# KiCad board nyx.kicad_pcb (continued)
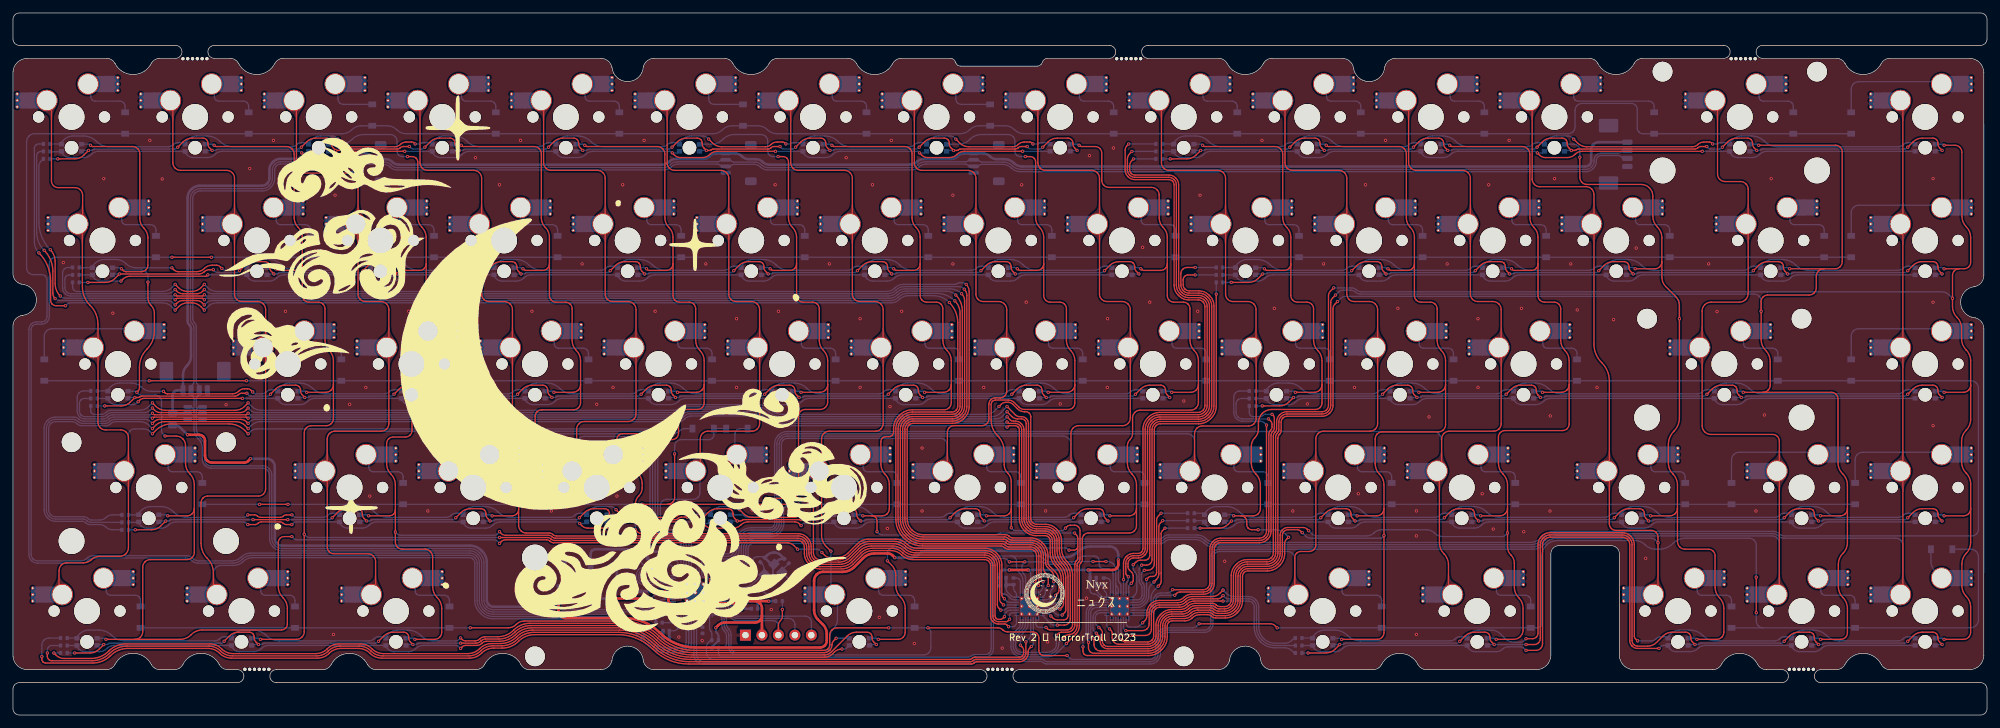
[diagram p0: board, top side]
## Copper pours and planes (outline as drawn; the poured copper is in the pictures) (continued)
VBUS on Bottom: 25.79,46.77 25.66,46.79 25.53,46.83 25.4,46.88 25.28,46.95 25.15,47.04 24.6,46.57 25.15,46.1 25.28,46.19 25.4,46.26 25.53,46.32 25.66,46.35 25.79,46.37
/~{USB_BOOT} on Bottom: 88.85,24.57 88.8,24.45 88.75,24.35 88.7,24.26 88.65,24.18 88.6,24.12 89.05,23.27 89.5,24.12 89.45,24.18 89.4,24.26 89.35,24.35 89.3,24.45 89.25,24.57
Col0 on Top: 7,21.8 6.94,21.08 6.78,20.58 6.55,20.16 6.29,19.71 6.04,19.09 7.61,18.58 8.94,19.55 8.47,20.04 8,20.38 7.6,20.69 7.31,21.12 7.2,21.8
Col0 on Top: 13,59.78 12.87,59.11 12.54,58.72 12.08,58.45 11.57,58.15 11.06,57.68 12.37,56.68 13.94,57.19 13.72,57.77 13.52,58.21 13.35,58.62 13.24,59.11 13.2,59.78
Col0 on Top: 17.7,40.77 17.58,40.09 17.26,39.69 16.81,39.4 16.3,39.09 15.81,38.61 17.13,37.63 18.7,38.14 18.47,38.73 18.25,39.18 18.07,39.59 17.95,40.08 17.9,40.77
Col0 on Top: 10.63,78.83 10.51,78.16 10.18,77.76 9.71,77.5 9.19,77.2 8.69,76.73 9.99,75.73 11.56,76.24 11.34,76.82 11.14,77.26 10.98,77.67 10.87,78.15 10.83,78.83
Col0 on Top: 10.8,72.61 10.84,73.29 10.96,73.78 11.13,74.19 11.33,74.63 11.56,75.22 9.99,75.73 8.68,74.73 9.18,74.26 9.69,73.96 10.15,73.68 10.47,73.28 10.6,72.61
Col0 on Top: 13.2,53.57 13.24,54.25 13.35,54.73 13.52,55.14 13.72,55.58 13.94,56.17 12.37,56.68 11.06,55.68 11.57,55.2 12.08,54.91 12.54,54.64 12.87,54.24 13,53.57
Col0 on Top: 17.9,34.49 17.95,35.18 18.07,35.67 18.25,36.08 18.47,36.52 18.7,37.12 17.13,37.63 15.81,36.65 16.3,36.16 16.81,35.85 17.26,35.57 17.58,35.17 17.7,34.49
Col0 on Top: 6.03,91.66 6.08,92.34 6.19,92.83 6.36,93.24 6.57,93.68 6.79,94.27 5.22,94.78 3.91,93.78 4.41,93.31 4.93,93.01 5.38,92.73 5.71,92.33 5.83,91.66
Col0 on Bottom: 17.7,40.77 17.58,40.09 17.26,39.69 16.81,39.4 16.3,39.09 15.81,38.61 17.13,37.63 18.7,38.14 18.47,38.73 18.25,39.18 18.07,39.59 17.95,40.08 17.9,40.77
Col1 on Top: 38.85,59.92 38.75,59.24 38.49,58.81 38.12,58.48 37.68,58.14 37.23,57.65 38.56,56.68 40.13,57.19 39.86,57.81 39.57,58.27 39.31,58.68 39.12,59.19 39.05,59.92
Col1 on Top: 39.05,53.44 39.12,54.17 39.31,54.67 39.57,55.09 39.86,55.54 40.13,56.17 38.56,56.68 37.23,55.71 37.68,55.21 38.12,54.87 38.49,54.55 38.75,54.11 38.85,53.44
Col1 on Top: 34.05,78.97 33.96,78.3 33.7,77.86 33.34,77.54 32.91,77.19 32.46,76.7 33.8,75.73 35.36,76.25 35.09,76.87 34.52,77.74 34.33,78.24 34.25,78.97
Col1 on Top: 30.8,21.79 30.74,21.08 30.58,20.58 30.36,20.16 30.1,19.7 29.85,19.09 31.42,18.58 32.75,19.55 32.28,20.04 31.81,20.38 31.4,20.69 31.11,21.11 31,21.79
Col1 on Top: 34.25,72.48 34.33,73.21 34.52,73.72 35.09,74.58 35.36,75.21 33.8,75.73 32.46,74.76 32.91,74.27 33.34,73.92 33.7,73.59 33.96,73.15 34.05,72.48
Col1 on Top: 24.75,91.54 24.82,92.26 25.02,92.77 25.57,93.64 25.84,94.27 24.27,94.78 22.94,93.81 23.39,93.31 23.83,92.97 24.2,92.64 24.45,92.21 24.55,91.54
Col1 on Bottom: 30.8,21.79 30.74,21.08 30.58,20.58 30.36,20.16 30.1,19.7 29.85,19.09 31.42,18.58 32.75,19.55 32.28,20.04 31.81,20.38 31.4,20.69 31.11,21.11 31,21.79
Col2 on Top: 55.8,21.72 55.68,21.04 55.36,20.64 54.91,20.35 54.4,20.04 53.91,19.56 55.23,18.58 56.8,19.09 56.57,19.68 56.35,20.13 56.17,20.54 56.05,21.03 56,21.72
Col2 on Top: 48.55,34.38 48.63,35.11 48.82,35.62 49.38,36.49 49.65,37.11 48.09,37.63 46.75,36.66 47.2,36.16 47.63,35.82 48,35.49 48.25,35.06 48.35,34.38
Col2 on Top: 43.8,91.54 43.87,92.26 44.07,92.77 44.62,93.64 44.89,94.27 43.32,94.78 41.99,93.81 42.44,93.31 42.88,92.97 43.25,92.64 43.5,92.21 43.6,91.54
Col2 on Top: 53.1,78.97 53.01,78.3 52.75,77.86 52.39,77.54 51.96,77.19 51.51,76.7 52.85,75.73 54.41,76.25 54.14,76.87 53.57,77.74 53.38,78.24 53.3,78.97
Col2 on Top: 53.3,72.48 53.38,73.21 53.57,73.72 54.14,74.58 54.41,75.21 52.85,75.73 51.51,74.76 51.96,74.27 52.39,73.92 52.75,73.59 53.01,73.15 53.1,72.48
Col2 on Top: 48.35,40.87 48.25,40.2 48,39.76 47.63,39.44 47.2,39.09 46.75,38.6 48.09,37.63 49.65,38.14 49.38,38.77 48.82,39.64 48.63,40.14 48.55,40.87
Col2 on Top: 58.05,53.43 58.13,54.16 58.32,54.66 58.6,55.08 58.9,55.53 59.17,56.15 57.61,56.68 56.28,55.71 56.72,55.22 57.15,54.87 57.51,54.54 57.76,54.1 57.85,53.43
Col2 on Top: 57.85,59.92 57.76,59.25 57.51,58.82 57.15,58.49 56.72,58.14 56.28,57.65 57.61,56.68 59.17,57.2 58.9,57.83 58.6,58.28 58.32,58.69 58.13,59.2 58.05,59.92
Col2 on Bottom: 48.35,40.87 48.25,40.2 48,39.76 47.63,39.44 47.2,39.09 46.75,38.6 48.09,37.63 49.65,38.14 49.38,38.77 48.82,39.64 48.63,40.14 48.55,40.87
Col3 on Top: 76.9,59.92 76.81,59.25 76.56,58.82 76.2,58.49 75.77,58.14 75.33,57.65 76.66,56.68 78.22,57.2 77.95,57.83 77.65,58.28 77.37,58.69 77.18,59.2 77.1,59.92
Col3 on Top: 72.35,72.48 72.43,73.21 72.62,73.72 73.19,74.58 73.46,75.21 71.9,75.73 70.56,74.76 71.01,74.27 71.44,73.92 71.8,73.59 72.06,73.15 72.15,72.48
Col3 on Top: 77.1,53.43 77.18,54.16 77.37,54.66 77.65,55.08 77.95,55.53 78.22,56.15 76.66,56.68 75.33,55.71 75.77,55.22 76.2,54.87 76.56,54.54 76.81,54.1 76.9,53.43
Col3 on Top: 72.15,78.97 72.06,78.3 71.8,77.86 71.44,77.54 71.01,77.19 70.56,76.7 71.9,75.73 73.46,76.25 73.19,76.87 72.62,77.74 72.43,78.24 72.35,78.97
Col3 on Top: 67.75,40.74 67.62,40.07 67.3,39.67 66.84,39.4 66.33,39.1 65.83,38.62 67.14,37.63 68.71,38.14 68.48,38.73 68.28,39.17 68.11,39.58 67.99,40.06 67.95,40.74
Col3 on Top: 62.85,91.54 62.92,92.26 63.12,92.77 63.67,93.64 63.94,94.27 62.37,94.78 61.04,93.81 61.49,93.31 61.93,92.97 62.3,92.64 62.55,92.21 62.65,91.54
Col3 on Bottom: 67.7,40.77 67.58,40.09 67.26,39.69 66.81,39.4 66.3,39.09 65.81,38.61 67.14,37.63 68.71,38.14 68.48,38.73 68.26,39.18 68.07,39.59 67.95,40.08 67.9,40.77
Col4 on Top: 86.8,40.74 86.67,40.07 86.35,39.67 85.89,39.4 85.38,39.1 84.88,38.62 86.19,37.63 87.76,38.14 87.53,38.73 87.33,39.17 87.16,39.58 87.04,40.06 87,40.74
Col4 on Top: 95.95,59.92 95.86,59.25 95.61,58.82 95.25,58.49 94.82,58.14 94.38,57.65 95.71,56.68 97.27,57.2 97,57.83 96.7,58.28 96.42,58.69 96.23,59.2 96.15,59.92
Col4 on Top: 96.15,53.43 96.23,54.16 96.42,54.66 96.7,55.08 97,55.53 97.27,56.15 95.71,56.68 94.38,55.71 94.82,55.22 95.25,54.87 95.61,54.54 95.86,54.1 95.95,53.43
Col4 on Top: 91.4,72.48 91.48,73.21 91.67,73.72 92.24,74.58 92.51,75.21 90.95,75.73 89.61,74.76 90.06,74.27 90.49,73.92 90.85,73.59 91.11,73.15 91.2,72.48
Col4 on Top: 91.2,78.97 91.11,78.3 90.85,77.86 90.49,77.54 90.06,77.19 89.61,76.7 90.95,75.73 92.51,76.25 92.24,76.87 91.67,77.74 91.48,78.24 91.4,78.97
Col4 on Top: 81.9,91.54 81.97,92.26 82.17,92.77 82.72,93.64 82.99,94.27 81.42,94.78 80.09,93.81 80.54,93.31 80.98,92.97 81.35,92.64 81.6,92.21 81.7,91.54
Col4 on Bottom: 86.8,40.74 86.67,40.07 86.35,39.67 85.89,39.4 85.38,39.1 84.88,38.62 86.19,37.63 87.76,38.14 87.53,38.73 87.33,39.17 87.16,39.58 87.04,40.06 87,40.74
Col5 on Top: 115,59.92 114.91,59.25 114.66,58.82 114.3,58.49 113.87,58.14 113.43,57.65 114.76,56.68 116.32,57.2 116.05,57.83 115.75,58.28 115.47,58.69 115.28,59.2 115.2,59.92
Col5 on Top: 110.45,72.48 110.53,73.21 110.72,73.72 111.29,74.58 111.56,75.21 110,75.73 108.66,74.76 109.11,74.27 109.54,73.92 109.9,73.59 110.16,73.15 110.25,72.48
Col5 on Top: 100.95,91.54 101.02,92.26 101.22,92.77 101.77,93.64 102.04,94.27 100.47,94.78 99.14,93.81 99.59,93.31 100.03,92.97 100.4,92.64 100.65,92.21 100.75,91.54
Col5 on Top: 115.2,53.43 115.28,54.16 115.47,54.66 115.75,55.08 116.05,55.53 116.32,56.15 114.76,56.68 113.43,55.71 113.87,55.22 114.3,54.87 114.66,54.54 114.91,54.1 115,53.43
Col5 on Top: 105.85,40.74 105.72,40.07 105.4,39.67 104.94,39.4 104.43,39.1 103.93,38.62 105.24,37.63 106.81,38.14 106.58,38.73 106.38,39.17 106.21,39.58 106.09,40.06 106.05,40.74
Col5 on Top: 110.25,78.97 110.16,78.3 109.9,77.86 109.54,77.54 109.11,77.19 108.66,76.7 110,75.73 111.56,76.25 111.29,76.87 110.72,77.74 110.53,78.24 110.45,78.97
Col5 on Bottom: 106,34.49 106.05,35.17 106.17,35.67 106.36,36.08 106.58,36.52 106.81,37.12 105.24,37.63 103.91,36.65 104.4,36.16 104.91,35.85 105.36,35.57 105.68,35.16 105.8,34.49
Col6 on Top: 129.3,78.97 129.21,78.3 128.95,77.86 128.59,77.54 128.16,77.19 127.71,76.7 129.05,75.73 130.61,76.25 130.34,76.87 129.77,77.74 129.58,78.24 129.5,78.97
Col6 on Top: 129.5,72.48 129.58,73.21 129.77,73.72 130.34,74.58 130.61,75.21 129.05,75.73 127.71,74.76 128.16,74.27 128.59,73.92 128.95,73.59 129.21,73.15 129.3,72.48
Col6 on Top: 124.75,34.38 124.83,35.11 125.02,35.62 125.58,36.49 125.85,37.11 124.29,37.63 122.95,36.66 123.4,36.16 123.83,35.82 124.2,35.49 124.45,35.06 124.55,34.38
Col6 on Top: 134.25,53.43 134.33,54.16 134.52,54.66 134.8,55.08 135.1,55.53 135.37,56.15 133.81,56.68 132.48,55.71 132.92,55.22 133.35,54.87 133.71,54.54 133.96,54.1 134.05,53.43
Col6 on Top: 120,91.54 120.07,92.26 120.27,92.77 120.82,93.64 121.09,94.27 119.52,94.78 118.19,93.81 118.64,93.31 119.08,92.97 119.45,92.64 119.7,92.21 119.8,91.54
Col6 on Top: 134.05,59.92 133.96,59.25 133.71,58.82 133.35,58.49 132.92,58.14 132.48,57.65 133.81,56.68 135.37,57.2 135.1,57.83 134.8,58.28 134.52,58.69 134.33,59.2 134.25,59.92
Col6 on Top: 124.55,40.87 124.45,40.2 124.2,39.76 123.83,39.44 123.4,39.09 122.95,38.6 124.29,37.63 125.85,38.14 125.58,38.77 125.02,39.64 124.83,40.14 124.75,40.87
Col6 on Bottom: 127.2,15.35 127.27,16.07 127.45,16.57 127.7,16.99 127.97,17.44 128.24,18.07 126.67,18.58 125.33,17.61 125.79,17.11 126.24,16.77 126.63,16.45 126.9,16.02 127,15.35
Col6 on Bottom: 126,21.77 125.94,21.06 125.8,20.56 125.59,20.15 125.34,19.7 125.1,19.09 126.67,18.58 128,19.55 127.52,20.04 127.04,20.37 126.62,20.67 126.31,21.09 126.2,21.77
Col7 on Top: 153.1,59.92 153.01,59.25 152.76,58.82 152.4,58.49 151.97,58.14 151.53,57.65 152.86,56.68 154.42,57.2 154.15,57.83 153.85,58.28 153.57,58.69 153.38,59.2 153.3,59.92
Col7 on Top: 148.55,72.48 148.63,73.21 148.82,73.72 149.39,74.58 149.66,75.21 148.1,75.73 146.76,74.76 147.21,74.27 147.64,73.92 148,73.59 148.26,73.15 148.35,72.48
Col7 on Top: 153.3,53.43 153.38,54.16 153.57,54.66 153.85,55.08 154.15,55.53 154.42,56.15 152.86,56.68 151.53,55.71 151.97,55.22 152.4,54.87 152.76,54.54 153.01,54.1 153.1,53.43
Col7 on Top: 148.35,78.97 148.26,78.3 148,77.86 147.64,77.54 147.21,77.19 146.76,76.7 148.1,75.73 149.66,76.25 149.39,76.87 148.82,77.74 148.63,78.24 148.55,78.97
Col7 on Top: 139.05,91.54 139.12,92.26 139.32,92.77 139.87,93.64 140.14,94.27 138.57,94.78 137.24,93.81 137.69,93.31 138.13,92.97 138.5,92.64 138.75,92.21 138.85,91.54
Col7 on Top: 143.95,40.74 143.82,40.07 143.5,39.67 143.04,39.4 142.53,39.1 142.03,38.62 143.34,37.63 144.91,38.14 144.68,38.73 144.48,39.17 144.31,39.58 144.19,40.06 144.15,40.74
Col7 on Bottom: 143.9,40.77 143.78,40.09 143.46,39.69 143.01,39.4 142.5,39.09 142.01,38.61 143.34,37.63 144.91,38.14 144.68,38.73 144.46,39.18 144.27,39.59 144.15,40.08 144.1,40.77
Col8 on Top: 167.4,78.97 167.31,78.3 167.05,77.86 166.69,77.54 166.26,77.19 165.81,76.7 167.15,75.73 168.71,76.25 168.44,76.87 167.87,77.74 167.68,78.24 167.6,78.97
Col8 on Top: 163,40.74 162.87,40.07 162.55,39.67 162.09,39.4 161.58,39.1 161.08,38.62 162.39,37.63 163.96,38.14 163.73,38.73 163.53,39.17 163.36,39.58 163.24,40.06 163.2,40.74
Col8 on Top: 172.15,59.92 172.06,59.25 171.81,58.82 171.45,58.49 171.02,58.14 170.58,57.65 171.91,56.68 173.47,57.2 173.2,57.83 172.9,58.28 172.62,58.69 172.43,59.2 172.35,59.92
Col8 on Top: 158.1,91.54 158.17,92.26 158.37,92.77 158.92,93.64 159.19,94.27 157.62,94.78 156.29,93.81 156.74,93.31 157.18,92.97 157.55,92.64 157.8,92.21 157.9,91.54
Col8 on Top: 167.6,72.48 167.68,73.21 167.87,73.72 168.44,74.58 168.71,75.21 167.15,75.73 165.81,74.76 166.26,74.27 166.69,73.92 167.05,73.59 167.31,73.15 167.4,72.48
Col8 on Top: 172.35,53.43 172.43,54.16 172.62,54.66 172.9,55.08 173.2,55.53 173.47,56.15 171.91,56.68 170.58,55.71 171.02,55.22 171.45,54.87 171.81,54.54 172.06,54.1 172.15,53.43
Col8 on Bottom: 163,40.74 162.87,40.07 162.55,39.67 162.09,39.4 161.58,39.1 161.08,38.62 162.39,37.63 163.96,38.14 163.73,38.73 163.53,39.17 163.36,39.58 163.24,40.06 163.2,40.74
Col9 on Top: 186.83,78.83 186.71,78.16 186.38,77.77 185.92,77.5 185.4,77.2 184.9,76.73 186.2,75.73 187.77,76.24 187.55,76.82 187.35,77.26 187.18,77.67 187.08,78.16 187.03,78.83
Col9 on Top: 191.75,53.55 191.79,54.23 191.92,54.72 192.09,55.13 192.3,55.58 192.53,56.17 190.96,56.68 189.64,55.69 190.14,55.21 190.65,54.9 191.1,54.62 191.43,54.22 191.55,53.55
Col9 on Top: 187.03,72.62 187.08,73.3 187.18,73.79 187.35,74.19 187.55,74.63 187.77,75.22 186.2,75.73 184.9,74.73 185.4,74.25 185.92,73.96 186.38,73.69 186.71,73.29 186.83,72.62
Col9 on Top: 177.15,91.54 177.22,92.26 177.42,92.77 177.97,93.64 178.24,94.27 176.67,94.78 175.34,93.81 175.79,93.31 176.23,92.97 176.6,92.64 176.85,92.21 176.95,91.54
Col9 on Top: 191.53,59.81 191.41,59.14 191.09,58.73 190.64,58.45 190.13,58.14 189.64,57.66 190.96,56.68 192.53,57.19 192.3,57.78 192.09,58.23 191.9,58.64 191.78,59.13 191.73,59.81
Col9 on Top: 182.05,40.74 181.92,40.07 181.6,39.67 181.14,39.4 180.63,39.1 180.13,38.62 181.44,37.63 183.01,38.14 182.78,38.73 182.58,39.17 182.41,39.58 182.29,40.06 182.25,40.74
Col9 on Bottom: 182.05,40.74 181.92,40.07 181.6,39.67 181.14,39.4 180.63,39.1 180.13,38.62 181.44,37.63 183.01,38.14 182.78,38.73 182.58,39.17 182.41,39.58 182.29,40.06 182.25,40.74
Col10 on Top: 205.53,78.97 205.43,78.3 205.17,77.86 204.8,77.54 204.37,77.19 203.91,76.7 205.25,75.73 206.82,76.24 206.55,76.87 205.99,77.74 205.8,78.24 205.73,78.97
Col10 on Top: 197.5,21.8 197.44,21.08 197.28,20.58 197.05,20.16 196.79,19.71 196.54,19.09 198.11,18.58 199.44,19.55 198.97,20.04 198.5,20.38 198.1,20.69 197.81,21.12 197.7,21.8
Col10 on Top: 200.75,40.87 200.65,40.2 200.4,39.76 200.03,39.44 199.6,39.09 199.15,38.6 200.49,37.63 202.05,38.14 201.78,38.77 201.22,39.64 201.03,40.14 200.95,40.87
Col10 on Top: 196.2,91.54 196.27,92.26 196.47,92.77 197.02,93.64 197.29,94.27 195.72,94.78 194.39,93.81 194.84,93.31 195.28,92.97 195.65,92.64 195.9,92.21 196,91.54
Col10 on Top: 210.28,59.92 210.18,59.25 209.93,58.81 209.56,58.49 209.13,58.14 208.68,57.65 210.01,56.68 211.58,57.19 211.31,57.82 210.74,58.69 210.55,59.19 210.48,59.92
Col10 on Top: 205.73,72.49 205.8,73.21 205.99,73.72 206.55,74.59 206.82,75.22 205.25,75.73 203.91,74.76 204.37,74.26 204.8,73.92 205.17,73.59 205.43,73.16 205.53,72.49
Col10 on Top: 200.95,34.38 201.03,35.11 201.22,35.62 201.78,36.49 202.05,37.11 200.49,37.63 199.15,36.66 199.6,36.16 200.03,35.82 200.4,35.49 200.65,35.06 200.75,34.38
Col10 on Top: 210.48,53.44 210.55,54.16 210.75,54.67 211.31,55.54 211.58,56.16 210.01,56.68 208.68,55.71 209.13,55.21 209.56,54.87 209.93,54.54 210.18,54.11 210.28,53.44
Col10 on Bottom: 197.5,21.8 197.44,21.08 197.28,20.58 197.05,20.16 196.79,19.71 196.54,19.09 198.11,18.58 199.44,19.55 198.97,20.04 198.5,20.38 198.1,20.69 197.81,21.12 197.7,21.8
Col11 on Top: 221.2,21.74 221.15,21.05 221.01,20.55 220.82,20.14 220.59,19.69 220.35,19.09 221.92,18.58 223.25,19.55 222.77,20.04 222.27,20.36 221.83,20.65 221.52,21.06 221.4,21.74
Col11 on Top: 229.53,53.43 229.6,54.16 229.79,54.67 230.36,55.54 230.63,56.16 229.06,56.68 227.73,55.71 228.18,55.21 228.61,54.87 228.98,54.54 229.23,54.11 229.33,53.43
Col11 on Top: 215.25,91.54 215.32,92.26 215.52,92.77 216.07,93.64 216.34,94.27 214.77,94.78 213.44,93.81 213.89,93.31 214.33,92.97 214.7,92.64 214.95,92.21 215.05,91.54
Col11 on Top: 229.33,59.92 229.23,59.25 228.98,58.81 228.61,58.49 228.18,58.14 227.73,57.65 229.06,56.68 230.63,57.19 230.36,57.82 229.79,58.69 229.6,59.19 229.53,59.92
Col11 on Top: 224.58,78.97 224.48,78.3 224.22,77.86 223.85,77.54 223.42,77.19 222.96,76.7 224.3,75.73 225.87,76.24 225.6,76.87 225.04,77.74 224.85,78.24 224.78,78.97
Col11 on Top: 224.78,72.49 224.85,73.21 225.04,73.72 225.6,74.59 225.87,75.22 224.3,75.73 222.96,74.76 223.42,74.26 223.85,73.92 224.22,73.59 224.48,73.16 224.58,72.49
Col11 on Top: 220,34.38 220.08,35.11 220.27,35.62 220.83,36.49 221.1,37.11 219.54,37.63 218.2,36.66 218.65,36.16 219.08,35.82 219.45,35.49 219.7,35.06 219.8,34.38
Col11 on Top: 220.15,40.74 220.02,40.07 219.7,39.67 219.24,39.4 218.73,39.1 218.23,38.62 219.54,37.63 221.11,38.14 220.88,38.73 220.68,39.17 220.51,39.58 220.39,40.06 220.35,40.74
Col11 on Bottom: 220.1,40.77 219.98,40.09 219.66,39.69 219.21,39.4 218.7,39.09 218.21,38.61 219.54,37.63 221.11,38.14 220.88,38.73 220.66,39.18 220.47,39.59 220.35,40.08 220.3,40.77
Col12 on Top: 253.5,21.69 253.37,21.02 253.04,20.62 252.59,20.35 252.07,20.05 251.57,19.57 252.87,18.58 254.44,19.09 254.22,19.67 254.02,20.11 253.85,20.52 253.74,21.01 253.7,21.69
Col12 on Top: 243.63,78.97 243.53,78.3 243.27,77.86 242.9,77.54 242.47,77.19 242.01,76.7 243.35,75.73 244.92,76.24 244.65,76.87 244.09,77.74 243.9,78.24 243.83,78.97
Col12 on Top: 243.83,72.49 243.9,73.21 244.09,73.72 244.65,74.59 244.92,75.22 243.35,75.73 242.01,74.76 242.47,74.26 242.9,73.92 243.27,73.59 243.53,73.16 243.63,72.49
Col12 on Top: 246.2,34.39 246.27,35.11 246.47,35.62 247.03,36.49 247.3,37.12 245.73,37.63 244.4,36.66 244.85,36.16 245.28,35.82 245.65,35.49 245.9,35.06 246,34.39
Col12 on Top: 234.3,91.54 234.37,92.26 234.57,92.77 235.12,93.64 235.39,94.27 233.82,94.78 232.49,93.81 232.94,93.31 233.38,92.97 233.75,92.64 234,92.21 234.1,91.54
Col12 on Top: 246,40.87 245.9,40.2 245.65,39.76 245.28,39.44 244.85,39.09 244.4,38.6 245.73,37.63 247.3,38.14 247.03,38.77 246.47,39.64 246.27,40.14 246.2,40.87
Col13 on Top: 272.4,34.39 272.47,35.11 272.67,35.62 273.22,36.49 273.49,37.12 271.92,37.63 270.59,36.66 271.04,36.16 271.48,35.82 271.85,35.49 272.1,35.06 272.2,34.39
Col13 on Top: 272.2,40.87 272.1,40.2 271.85,39.76 271.48,39.44 271.04,39.09 270.59,38.6 271.92,37.63 273.49,38.14 273.22,38.77 272.67,39.64 272.47,40.14 272.4,40.87
Col13 on Top: 272.2,21.82 272.1,21.15 271.85,20.71 271.48,20.39 271.04,20.04 270.59,19.55 271.92,18.58 273.49,19.09 273.22,19.72 272.67,20.59 272.47,21.09 272.4,21.82
Col13 on Top: 262.88,91.54 262.95,92.26 263.14,92.77 263.7,93.64 263.97,94.27 262.4,94.78 261.06,93.81 261.52,93.31 261.95,92.97 262.32,92.64 262.58,92.21 262.68,91.54
Col13 on Top: 260.5,53.44 260.57,54.16 260.76,54.67 261.03,55.08 261.32,55.54 261.59,56.17 260.02,56.68 258.68,55.71 259.14,55.21 259.57,54.87 259.94,54.55 260.2,54.11 260.3,53.44
Col13 on Top: 260.3,59.92 260.2,59.24 259.94,58.81 259.57,58.48 259.14,58.14 258.68,57.65 260.02,56.68 261.59,57.19 261.32,57.81 261.03,58.27 260.76,58.69 260.57,59.19 260.5,59.92
Col13 on Top: 267.6,72.48 267.68,73.21 267.87,73.71 268.15,74.13 268.45,74.58 268.72,75.2 267.16,75.73 265.83,74.76 266.27,74.27 266.7,73.92 267.06,73.59 267.31,73.15 267.4,72.48
Col13 on Top: 267.4,78.97 267.31,78.3 267.06,77.87 266.7,77.54 266.27,77.19 265.83,76.7 267.16,75.73 268.72,76.25 268.45,76.88 268.15,77.33 267.87,77.74 267.68,78.25 267.6,78.97
Col13 on Bottom: 272.2,21.82 272.1,21.15 271.85,20.71 271.48,20.39 271.04,20.04 270.59,19.55 271.92,18.58 273.49,19.09 273.22,19.72 272.67,20.59 272.47,21.09 272.4,21.82
Col14 on Top: 291.45,34.39 291.52,35.11 291.72,35.62 292.27,36.49 292.54,37.12 290.97,37.63 289.64,36.66 290.09,36.16 290.53,35.82 290.9,35.49 291.15,35.06 291.25,34.39
Col14 on Top: 291.25,21.82 291.15,21.15 290.9,20.71 290.53,20.39 290.09,20.04 289.64,19.55 290.97,18.58 292.54,19.09 292.27,19.72 291.72,20.59 291.52,21.09 291.45,21.82
Col14 on Top: 291.45,72.49 291.52,73.21 291.72,73.72 292.27,74.59 292.54,75.22 290.97,75.73 289.64,74.76 290.09,74.26 290.53,73.92 290.9,73.59 291.15,73.16 291.25,72.49
Col14 on Top: 291.25,59.92 291.15,59.25 290.9,58.81 290.53,58.49 290.09,58.14 289.64,57.65 290.97,56.68 292.54,57.19 292.27,57.82 291.72,58.69 291.52,59.19 291.45,59.92
Col14 on Top: 291.25,40.87 291.15,40.2 290.9,39.76 290.53,39.44 290.09,39.09 289.64,38.6 290.97,37.63 292.54,38.14 292.27,38.77 291.72,39.64 291.52,40.14 291.45,40.87
Col14 on Top: 291.45,53.44 291.52,54.16 291.72,54.67 292.27,55.54 292.54,56.17 290.97,56.68 289.64,55.71 290.09,55.21 290.53,54.87 290.9,54.54 291.15,54.11 291.25,53.44
Col14 on Top: 291.45,91.54 291.52,92.26 291.72,92.77 292.27,93.64 292.54,94.27 290.97,94.78 289.64,93.81 290.09,93.31 290.53,92.97 290.9,92.64 291.15,92.21 291.25,91.54
Col14 on Top: 291.25,78.97 291.15,78.3 290.9,77.86 290.53,77.54 290.09,77.19 289.64,76.7 290.97,75.73 292.54,76.24 292.27,76.87 291.72,77.74 291.52,78.24 291.45,78.97
Col14 on Bottom: 291.25,21.82 291.15,21.15 290.9,20.71 290.53,20.39 290.09,20.04 289.64,19.55 290.97,18.58 292.54,19.09 292.27,19.72 291.72,20.59 291.52,21.09 291.45,21.82
SWCLK on Bottom: 122.98,14.02 122.94,13.65 122.82,13.41 122.66,13.22 122.48,12.99 122.29,12.65 123.08,12.32 123.87,12.65 123.68,12.99 123.5,13.22 123.34,13.41 123.22,13.65 123.18,14.02
SWDIO on Bottom: 120.44,13.95 120.4,13.59 120.28,13.37 120.12,13.19 119.93,12.97 119.75,12.65 120.54,12.32 121.33,12.65 121.15,12.97 120.96,13.19 120.8,13.37 120.68,13.59 120.64,13.95
~{NRST} on Top: 117.9,13.83 117.85,13.51 117.73,13.3 117.57,13.14 117.39,12.95 117.21,12.65 118,12.32 118.79,12.65 118.61,12.95 118.43,13.14 118.27,13.3 118.15,13.51 118.1,13.83
~{NRST} on Bottom: 117.9,13.75 117.85,13.44 117.73,13.25 117.56,13.11 117.38,12.93 117.21,12.65 118,12.32 118.79,12.65 118.62,12.93 118.44,13.11 118.27,13.25 118.15,13.44 118.1,13.75
Net-(D1-A) on Bottom: 12.1,95.34 12.15,95.65 12.29,95.84 12.48,95.98 12.69,96.12 12.91,96.35 11.57,97.32 11.06,95.75 11.3,95.7 11.53,95.68 11.72,95.65 11.85,95.55 11.9,95.34
Net-(D2-A) on Bottom: 31.15,95.34 31.2,95.65 31.34,95.84 31.53,95.98 31.74,96.12 31.96,96.35 30.62,97.32 30.11,95.75 30.35,95.7 30.58,95.68 30.77,95.65 30.9,95.55 30.95,95.34
Net-(D3-A) on Bottom: 50.2,95.02 50.24,95.41 50.37,95.66 50.55,95.86 50.77,96.07 51.01,96.35 49.67,97.32 48.7,95.98 49.07,95.8 49.42,95.69 49.71,95.59 49.92,95.39 50,95.02
Net-(D4-A) on Bottom: 69.25,95.34 69.3,95.65 69.44,95.84 69.63,95.98 69.84,96.12 70.06,96.35 68.72,97.32 68.21,95.75 68.45,95.7 68.68,95.68 68.87,95.65 69,95.55 69.05,95.34
Net-(D5-A) on Bottom: 88.3,95.34 88.35,95.65 88.49,95.84 88.68,95.98 88.89,96.12 89.11,96.35 87.77,97.32 87.26,95.75 87.5,95.7 87.73,95.68 87.92,95.65 88.05,95.55 88.1,95.34
Net-(D6-A) on Bottom: 107.35,95.02 107.39,95.41 107.52,95.66 107.7,95.86 107.92,96.07 108.16,96.35 106.82,97.32 105.85,95.98 106.22,95.8 106.57,95.69 106.86,95.59 107.07,95.39 107.15,95.02
Net-(D7-A) on Bottom: 126.4,95.34 126.45,95.65 126.59,95.84 126.78,95.98 126.99,96.12 127.21,96.35 125.87,97.32 125.36,95.75 125.6,95.7 125.83,95.68 126.02,95.65 126.15,95.55 126.2,95.34
Net-(D8-A) on Bottom: 145.45,95.02 145.49,95.41 145.62,95.66 145.8,95.86 146.02,96.07 146.26,96.35 144.92,97.32 143.95,95.98 144.32,95.8 144.67,95.69 144.96,95.59 145.17,95.39 145.25,95.02
Net-(D9-A) on Bottom: 164.5,95.34 164.55,95.65 164.69,95.84 164.88,95.98 165.09,96.12 165.31,96.35 163.97,97.32 163.46,95.75 163.7,95.7 163.93,95.68 164.12,95.65 164.25,95.55 164.3,95.34
Net-(D10-A) on Bottom: 183.55,95.34 183.6,95.65 183.74,95.84 183.93,95.98 184.14,96.12 184.36,96.35 183.02,97.32 182.51,95.75 182.75,95.7 182.98,95.68 183.17,95.65 183.3,95.55 183.35,95.34
Net-(D11-A) on Bottom: 202.6,95.34 202.65,95.65 202.79,95.84 202.98,95.98 203.19,96.12 203.41,96.35 202.07,97.32 201.56,95.75 201.8,95.7 202.03,95.68 202.22,95.65 202.35,95.55 202.4,95.34
Net-(D12-A) on Bottom: 221.65,95.34 221.7,95.65 221.84,95.84 222.03,95.98 222.24,96.12 222.46,96.35 221.12,97.32 220.61,95.75 220.85,95.7 221.08,95.68 221.27,95.65 221.4,95.55 221.45,95.34
Net-(D13-A) on Bottom: 240.7,95.34 240.75,95.65 240.89,95.84 241.08,95.98 241.29,96.12 241.51,96.35 240.17,97.32 239.66,95.75 239.9,95.7 240.13,95.68 240.32,95.65 240.45,95.55 240.5,95.34
Net-(D14-A) on Bottom: 269.28,95.34 269.33,95.65 269.46,95.84 269.65,95.98 269.87,96.12 270.08,96.35 268.75,97.32 268.24,95.75 268.48,95.7 268.71,95.68 268.9,95.65 269.03,95.55 269.08,95.34
Net-(D15-A) on Bottom: 294.08,97.57 294.75,97.48 295.19,97.22 295.52,96.86 295.86,96.43 296.35,95.98 297.33,97.32 296.81,98.88 296.18,98.61 295.31,98.04 294.81,97.85 294.08,97.77
Net-(D16-A) on Bottom: 16.86,76.29 16.91,76.6 17.05,76.79 17.24,76.93 17.46,77.07 17.67,77.3 16.34,78.27 15.83,76.7 16.07,76.65 16.29,76.63 16.48,76.6 16.61,76.5 16.66,76.29
Net-(D17-A) on Bottom: 40.68,76.29 40.73,76.6 40.86,76.79 41.05,76.93 41.27,77.07 41.48,77.3 40.15,78.27 39.64,76.7 39.88,76.65 40.11,76.63 40.3,76.6 40.43,76.5 40.48,76.29
Net-(D18-A) on Bottom: 59.73,76.29 59.78,76.6 59.91,76.79 60.1,76.93 60.32,77.07 60.53,77.3 59.2,78.27 58.69,76.7 58.93,76.65 59.16,76.63 59.35,76.6 59.48,76.5 59.53,76.29
Net-(D19-A) on Bottom: 78.78,76.29 78.83,76.6 78.96,76.79 79.15,76.93 79.37,77.07 79.58,77.3 78.25,78.27 77.74,76.7 77.98,76.65 78.21,76.63 78.4,76.6 78.53,76.5 78.58,76.29
Net-(D20-A) on Bottom: 97.83,76.29 97.88,76.6 98.01,76.79 98.2,76.93 98.42,77.07 98.63,77.3 97.3,78.27 96.79,76.7 97.03,76.65 97.26,76.63 97.45,76.6 97.58,76.5 97.63,76.29
Net-(D21-A) on Bottom: 116.88,76.29 116.93,76.6 117.06,76.79 117.25,76.93 117.47,77.07 117.68,77.3 116.35,78.27 115.84,76.7 116.08,76.65 116.31,76.63 116.5,76.6 116.63,76.5 116.68,76.29
Net-(D22-A) on Bottom: 135.93,76.29 135.98,76.6 136.11,76.79 136.3,76.93 136.52,77.07 136.73,77.3 135.4,78.27 134.89,76.7 135.13,76.65 135.36,76.63 135.55,76.6 135.68,76.5 135.73,76.29
Net-(D23-A) on Bottom: 154.98,76.29 155.03,76.6 155.16,76.79 155.35,76.93 155.57,77.07 155.78,77.3 154.45,78.27 153.94,76.7 154.18,76.65 154.41,76.63 154.6,76.6 154.73,76.5 154.78,76.29
Net-(D24-A) on Bottom: 174.03,76.29 174.08,76.6 174.21,76.79 174.4,76.93 174.62,77.07 174.83,77.3 173.5,78.27 172.99,76.7 173.23,76.65 173.46,76.63 173.65,76.6 173.78,76.5 173.83,76.29
Net-(D25-A) on Bottom: 193.08,76.29 193.13,76.6 193.26,76.79 193.45,76.93 193.67,77.07 193.88,77.3 192.55,78.27 192.04,76.7 192.28,76.65 192.51,76.63 192.7,76.6 192.83,76.5 192.88,76.29
Net-(D26-A) on Bottom: 212.13,76.29 212.18,76.6 212.31,76.79 212.5,76.93 212.72,77.07 212.93,77.3 211.6,78.27 211.09,76.7 211.33,76.65 211.56,76.63 211.75,76.6 211.88,76.5 211.93,76.29
Net-(D27-A) on Bottom: 231.18,76.29 231.23,76.6 231.36,76.79 231.55,76.93 231.77,77.07 231.98,77.3 230.65,78.27 230.14,76.7 230.38,76.65 230.61,76.63 230.8,76.6 230.93,76.5 230.98,76.29
Net-(D28-A) on Bottom: 250.23,76.29 250.28,76.6 250.41,76.79 250.6,76.93 250.82,77.07 251.03,77.3 249.7,78.27 249.19,76.7 249.43,76.65 249.66,76.63 249.85,76.6 249.98,76.5 250.03,76.29
Net-(D29-A) on Bottom: 274.04,76.29 274.09,76.6 274.22,76.79 274.41,76.93 274.63,77.07 274.85,77.3 273.51,78.27 273,76.7 273.24,76.65 273.47,76.63 273.66,76.6 273.79,76.5 273.84,76.29
Net-(D30-A) on Bottom: 294.08,78.52 294.75,78.43 295.19,78.17 295.52,77.81 295.86,77.38 296.35,76.93 297.33,78.27 296.81,79.83 296.18,79.56 295.31,78.99 294.81,78.8 294.08,78.72
Net-(D31-A) on Bottom: 15.47,59.47 16.15,59.38 16.58,59.12 16.91,58.76 17.26,58.33 17.75,57.88 18.72,59.22 18.2,60.78 17.57,60.51 16.71,59.94 16.2,59.75 15.47,59.67
Net-(D32-A) on Bottom: 45.44,57.24 45.49,57.55 45.62,57.74 45.81,57.88 46.03,58.02 46.25,58.25 44.91,59.22 44.4,57.65 44.64,57.6 44.87,57.58 45.06,57.55 45.19,57.45 45.24,57.24
Net-(D33-A) on Bottom: 64.49,57.24 64.54,57.55 64.67,57.74 64.86,57.88 65.08,58.02 65.3,58.25 63.96,59.22 63.45,57.65 63.69,57.6 63.92,57.58 64.11,57.55 64.24,57.45 64.29,57.24
Net-(D34-A) on Bottom: 83.54,57.24 83.59,57.55 83.72,57.74 83.91,57.88 84.13,58.02 84.35,58.25 83.01,59.22 82.5,57.65 82.74,57.6 82.97,57.58 83.16,57.55 83.29,57.45 83.34,57.24
Net-(D35-A) on Bottom: 102.59,57.24 102.64,57.55 102.77,57.74 102.96,57.88 103.18,58.02 103.4,58.25 102.06,59.22 101.55,57.65 101.79,57.6 102.02,57.58 102.21,57.55 102.34,57.45 102.39,57.24
Net-(D36-A) on Bottom: 121.64,57.24 121.69,57.55 121.82,57.74 122.01,57.88 122.23,58.02 122.45,58.25 121.11,59.22 120.6,57.65 120.84,57.6 121.07,57.58 121.26,57.55 121.39,57.45 121.44,57.24
Net-(D37-A) on Bottom: 140.69,57.24 140.74,57.55 140.87,57.74 141.06,57.88 141.28,58.02 141.5,58.25 140.16,59.22 139.65,57.65 139.89,57.6 140.12,57.58 140.31,57.55 140.44,57.45 140.49,57.24
Net-(D38-A) on Bottom: 159.74,57.24 159.79,57.55 159.92,57.74 160.11,57.88 160.33,58.02 160.55,58.25 159.21,59.22 158.7,57.65 158.94,57.6 159.17,57.58 159.36,57.55 159.49,57.45 159.54,57.24
Net-(D39-A) on Bottom: 178.79,57.24 178.84,57.55 178.97,57.74 179.16,57.88 179.38,58.02 179.6,58.25 178.26,59.22 177.75,57.65 177.99,57.6 178.22,57.58 178.41,57.55 178.54,57.45 178.59,57.24
Net-(D40-A) on Bottom: 197.84,57.24 197.89,57.55 198.02,57.74 198.21,57.88 198.43,58.02 198.65,58.25 197.31,59.22 196.8,57.65 197.04,57.6 197.27,57.58 197.46,57.55 197.59,57.45 197.64,57.24
Net-(D41-A) on Bottom: 216.89,57.24 216.94,57.55 217.07,57.74 217.26,57.88 217.48,58.02 217.7,58.25 216.36,59.22 215.85,57.65 216.09,57.6 216.32,57.58 216.51,57.55 216.64,57.45 216.69,57.24
